# Altium PCB PCB1.PcbDoc (part 2 of 2)
Units mil, origin at the board's own origin, x right, y up, seen from the top; angles counter-clockwise.
Board outline 2755.91 x 2755.91 mil, 2 copper layers (Top Layer, Bottom Layer); 175 components, 102 nets, 607 pads, 396 vias.
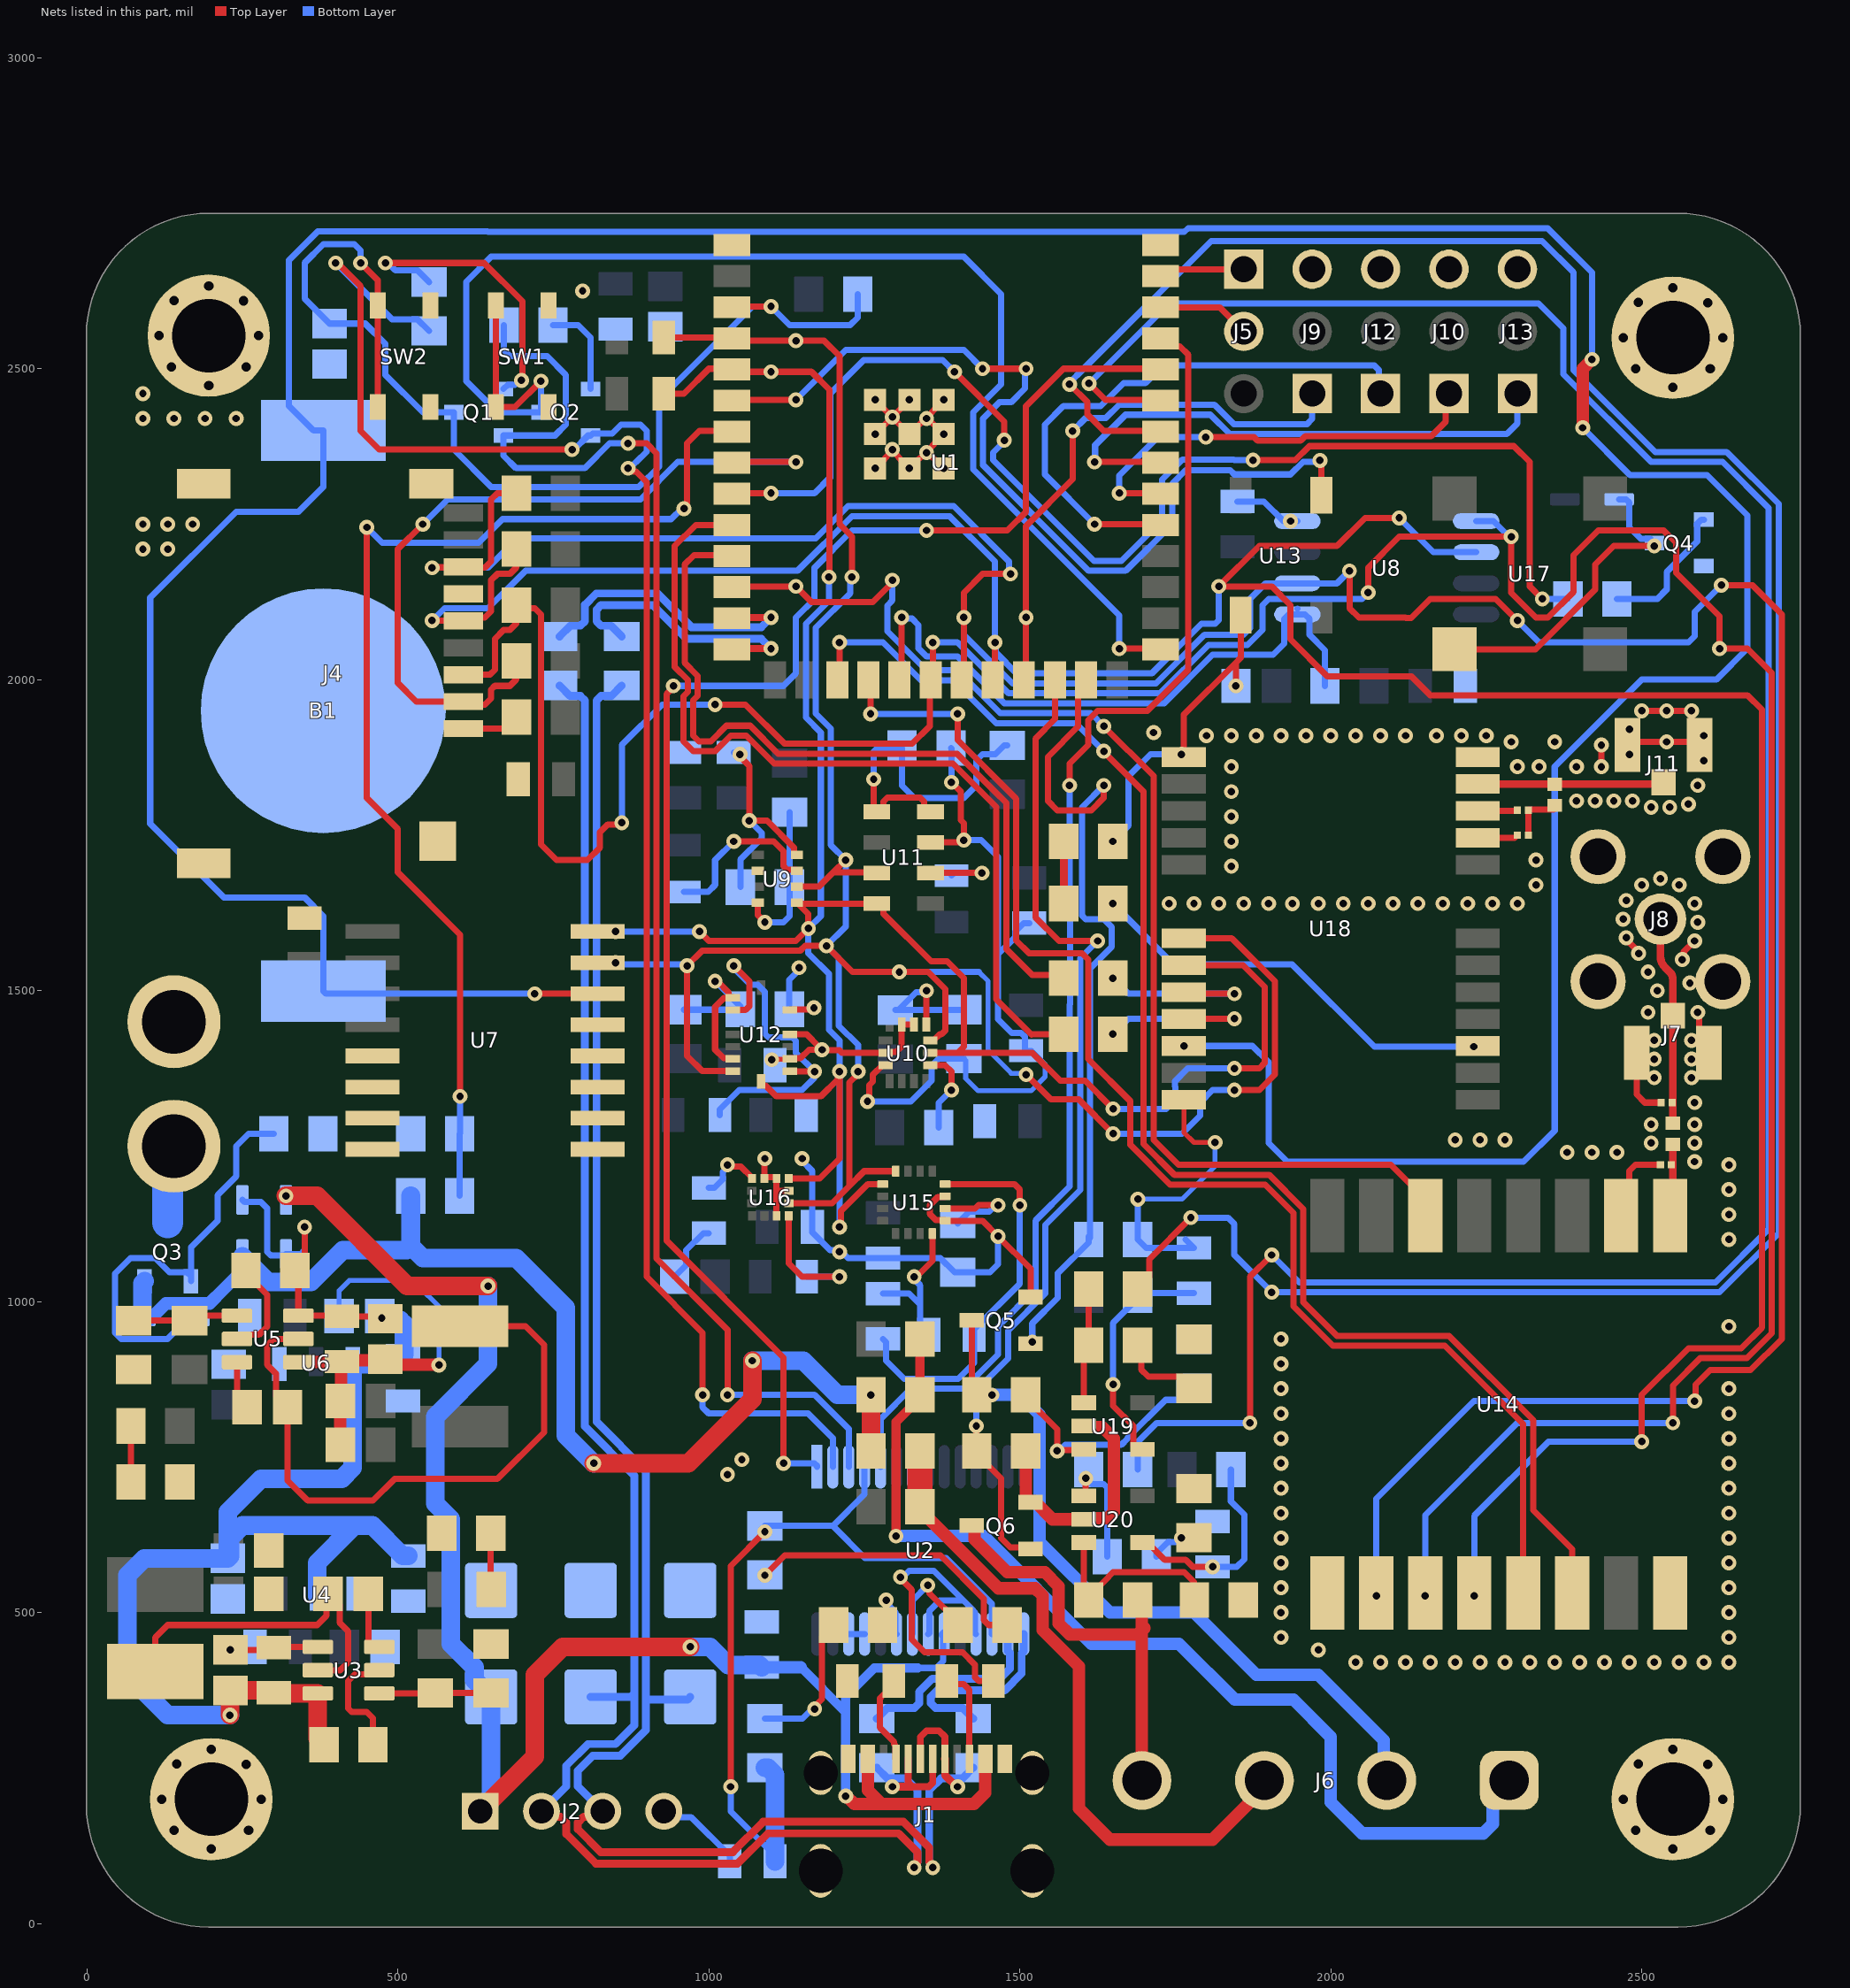
[diagram p2: the nets of this part, all layers, seen from the top]

## Via types
v1: diameter 24, hole 12, Top Layer to Bottom Layer, tented both sides, 362 vias
v2: diameter 20, hole 15, Top Layer to Bottom Layer, tented both sides, 32 vias
v3: diameter 30, hole 15, Top Layer to Bottom Layer, tented both sides, 2 vias

## Nets (pads, with @x,y where several pads share a name; then routed paths per layer and width w, separated by ;. In a path a pad name is that pad's centre, name@x,y a point inside that pad or via, vN(x,y) a via of type N, cw(c..) or ccw(c..) an arc to the next point about the centre after c; other vN are vias at no path point) (continued)
+5V_USB: C4.2 D3.2 D7.A J1.A4B9 J1.B4A9 J2.1 U2.20 | length 2885.9
  Top Layer w20: v1(1220,205) 1221.08,205 1234.08,192 1278,192 ; J1.A4B9@1255.51,264.84 1255.51,214.49 1278,192 ; J1.B4A9@1444.49,264.84 1444.49,210.35 1426.14,192 1278,192
  Top Layer w30: v1(320,1170) 370,1170 515,1025 v1(645,1025) ; J2.1@632.36,180.67 720,268.31 720,400 765,445 v1(970,445)
  Bottom Layer w10: 1335.97,410.97 1365.97,410.97 1376.87,421.87 U2.20@1376.87,464.08
  Bottom Layer w15: 1147.83,412.17 1220,340 ; v1(1220,205) 1220,340 ; 1335.97,410.97 1265.97,410.97 1220,365 1220,340 ; U2.20@1376.87,464.08 U2.20@1378.39,465.59
  Bottom Layer w20: C4.2@1085,412.17 1147.83,412.17
  Bottom Layer w30: J2.1@632.36,180.67 650,198.31 D3.2@650,364.37 623.07,391.3 623.07,411.93 585,450 585,650 560,675 560,815 645,900 v1(645,1025) ; v1(970,445) 1001.6,445 1030.74,415.87 1081.3,415.87 C4.2@1085,412.17
+BAT_V: D6.A D8.C Q3.S R41.2 R48.2 R56.2 | length 1902.7
  Top Layer w30: v1(815,740) 966.67,740 1070,843.33 v1(1070,905) ; R56.2@1260.63,760 v1(1260.63,850)
  Bottom Layer w20: D8.C@86.5,970 100.16,970 127.23,997.07 197.07,997.07 220,1020 250,1050 250,1072.83 D6.A@250,1076.5
  Bottom Layer w30: D8.C@86.5,970 89.55,973.05 89.55,1029.7 Q3.S@92.6,1032.76 ; D6.A@250,1072.83 291.16,1031.68 360,1031.68 411.32,1083 514.26,1083 520.63,1089.37 ; R41.2@520.63,1170 520.63,1100.63 520.63,1089.37 ; v1(815,740) 770,785 770,990 690,1070 540,1070 520.63,1089.37 ; v1(1070,905) 1151.77,905 1206.77,850 v1(1260.63,850)
BAT_VOLTAGE: R41.1 R43.2 U1.7 | length 1868.4
  Top Layer w10: v1(450,2245) 450,1810 500,1760 500,1690 600,1590 v1(600,1330) ; v1(960,2275) 965,2280 965,2380 985,2400 1035.83,2400 U1.7@1037.01,2398.82
  Bottom Layer w10: v1(450,2245) 475,2220 630,2220 668.18,2258.18 939.39,2258.18 956.21,2275 v1(960,2275) ; R41.1@599.37,1170 R43.2@599.37,1270 600,1270.63 v1(600,1330)
CHIP_PU: C3.2 Q1.3 R2.1 SW2.1 SW2.2 U1.3 | length 1808.3
  Top Layer w10: v1(440,2670) 467.68,2642.32 SW2.2@467.68,2601.69 SW2.1@467.68,2438.31 ; U1.3@1037.01,2598.82 1038.19,2600 v1(1100,2600)
  Bottom Layer w10: v1(440,2670) 440,2690 430,2700 380,2700 350,2670 350,2612.53 C3.2@390,2572.53 447.47,2572.53 480,2540 480,2490 540,2430 Q1.3@590.24,2430 590,2429.76 590,2370 650,2310 887.37,2310 920,2342.63 920,2450 1070,2600 v1(1100,2600) 1130,2570 1227,2570 1239.37,2582.37 R2.1@1239.37,2620
CS_FLASH: R24.1 U1.19 U8.1 | length 1419
  Top Layer w10: U1.19@1310,1998.19 v1(1310,2100)
  Bottom Layer w10: v1(1310,2100) 1311.59,2098.41 1326.59,2098.41 1337,2088 1337,2050.47 1350.47,2037 1400.12,2037 1475.12,1962 ; 1467.12,1970 1475.12,1962 ; R24.1@1990.63,1990 1990.63,2047.3 1965.91,2072.02 1965.91,2097.8 1958.7,2105 1932.2,2105 1925,2097.8 1925,2057.86 1907.14,2040 1872.63,2040 1810,2040 ; 1475.12,1962 1732,1962 ; 1475.12,1962 1732,1962 ; 1732,1962 1810,2040 ; 1732,1962 1810,2040
CS_SDCARD: J4.2 R39.1 U1.8 | length 1276.4
  Top Layer w10: v1(540,2250) 500,2210 500,1994.45 529.72,1964.72 J4.2@605.12,1964.72 609.84,1960 640,1960 650,1970 650,1984.14 655.86,1990 680,1990 690,2000 690,2029.37 R39.1@690.63,2030 ; U1.8@1037.01,2348.82 1038.19,2350 v1(1140,2350)
  Bottom Layer w10: v1(540,2250) 580,2290 890,2290 950,2350 v1(1140,2350)
DIN: U1.6 U13.DIN | length 1501.6
  Top Layer w10: U1.6@1038.19,2450 v1(1140,2450) ; v1(1440,2500) v1(1510,2500) ; v1@1980,2355 1984.96,2350.04 U13.DIN@1984.96,2296.46
  Bottom Layer w10: v1(1140,2450) 1220,2530 1410,2530 v1(1440,2500) ; v1(1510,2500) 1508.41,2498.41 1508.41,2468.41 1486,2446 1467,2446 1441,2420 1441,2344.91 1610.91,2175 1670,2175 1745,2250 1745,2315 1766.5,2336.5 1838.5,2336.5 1845,2330 1935,2330 1955.48,2350.48 1980.44,2350.48 v1(1982.48,2352.52)
DTR_FTDI: Q2.2 R1.1 U2.2 | length 2891.3
  Top Layer w10: v1(400,2670) 402.93,2670 440,2632.93 440,2400 470,2370 v1(780,2370) ; v1(870,2340) 873.79,2340 879.14,2334.64 882.83,2334.64 892.93,2324.54 900,2317.47 900,1040 990,950 v1(990,850)
  Bottom Layer w10: v1(400,2670) 490.75,2579.25 531.38,2579.25 R1.1@550,2560.63 ; v1(780,2370) 783.23,2370 805.83,2392.6 Q2.2@809.76,2392.6 813.17,2396 844.81,2396 858.81,2410 890,2410 900,2400 900,2366.52 883.48,2350 882.86,2350 872.86,2340 v1(870,2340) ; v1(990,850) 990,830 1000,820 1160,820 1199.25,780.75 U2.2@1199.25,734.41
EM1+: J6.1 R48.1 R49.1 | length 1648.6
  Top Layer w15: v1(1301,623) 1301,806.71 1339.37,845.08 R49.1@1339.37,940
  Bottom Layer w20: v1(1301,623) 1442,623 ; 1432.26,623 1442,623 ; J6.1@2286.89,230.16 2260.41,203.68 2260.41,160.41 2245,145 2050,145 2000,195 2000,300 1940,360 1845.75,360 1755.75,450 1615,450 1442,623
EM1-: J6.2 Q5.D R51.2 | length 1170.1
  Top Layer w10: Q5.D@1422.76,970 1422.76,857.87 R51.2@1430.63,850
  Bottom Layer w20: v1(1455.08,849.92) 1500.08,849.92 1532,818 1532,613 1645,500 1780,500 1880,400 1980,400 2085.32,294.68 2085.32,234.88 J6.2@2090.04,230.16
EM2+: J6.3 R56.1 R57.1 | length 1081
  Top Layer w20: R57.1@1339.37,670 1339.37,665.08 1465.45,539 1524.78,539 1536.5,527.28 1536.5,471.73 1595,413.23 1595,185 1645,135 1810,135 1893.19,218.19 J6.3@1893.19,230.16
  Top Layer w40: R57.1@1339.37,670 R56.1@1339.37,760
EM2-: J6.4 Q6.D R59.2 | length 693
  Top Layer w20: Q6.D@1422.76,640 1424.25,640 1427.44,636.81 1427.44,617.56 1480,565 1540,565 1562.5,542.5 1562.5,482.5 1580,465 1690,465 1700,475 ; R59.2@1689.37,520 1696.34,513.03 J6.4@1696.34,230.16
ESP_N: R4.1 U1.13 | length 476.5
  Top Layer w10.91: U1.13@1037.01,2098.82 1038.19,2100 v1(1100,2100)
  Bottom Layer w12.65: R4.1@760,2069.37 777.3,2086.67 793.27,2086.67 800.68,2094.08 800.68,2120.32 819.01,2138.65 917.72,2138.65 972.05,2084.32 1084.32,2084.32 v1(1100,2100)
ESP_P: R5.1 U1.14 | length 445.6
  Top Layer w10.91: U1.14@1037.01,2048.82 1038.19,2050 v1(1100,2050)
  Bottom Layer w12.65: R5.1@860,2069.37 842.7,2086.67 826.73,2086.67 819.32,2094.08 819.32,2112.59 826.73,2120 910,2120 964.32,2065.68 1084.32,2065.68 v1(1100,2050)
FTDI_N: R8.2 U2.16 | length 315.3
  Bottom Layer w12.65: R8.2@1270,329.37 1287.3,346.67 1330.77,346.67 1338.18,354.08 1338.18,372.28 1359.55,393.65 1467.87,393.65 1484.22,410 1484.22,434.57 1480.75,438.05 U2.16@1480.75,465.59
FTDI_P: R9.2 U2.15 | length 315.3
  Bottom Layer w12.65: R9.2@1425,329.37 1407.7,346.67 1364.23,346.67 1356.82,354.08 1356.82,364.55 1367.27,375 1475.59,375 1502.87,402.28 1502.87,434.57 1506.34,438.05 U2.15@1506.34,465.59
GND: B1.N C1.2 C2.1 C3.1 C4.1 C5.1 C7.1 C8.1 C9.1 C10.1 C11.1 C12.1 C13.1 C14.1 C16.1 C17.1 C18.1 C19.1 C20.1 C21.1 C22.1 C23.1 C24.2 C25.2 C26.1 C27.1 C28.1 C29.1 C30.1 C31.1 C32.1 C33.1 C36.1 C37.1 C38.1 C39.1 C40.1 C41.1 C42.1 C43.1 C44.1 C45.1 C46.1 C47.1 D3.1 D4.1 D5.1 D9.C D10.C D12.C D13.C J1.A1B12 J1.B1A12 J1.S1 J1.S2 J1.S3 J1.S4 J2.4 J3.GND J4.6 J4.G1 J4.G2 J4.G3 J4.G4 J7.GND J8.GND J9.3 J10.3 J11.GND J12.3 J13.3 L4.C MH1.GND MH2.GND MH3.GND MH4.GND Q4.2 Q5.S Q6.S R12.1 R13.1 R14.1 R18.1 R22.1 R26.1 R33.1 R34.1 R35.1 R43.1 R53.1 R55.2 R61.1 R63.2 SW1.3 SW1.4 SW2.3 SW2.4 U1.1 U1.40 U1.41_1 U1.41_2 U1.41_3 U1.41_4 U1.41_5 U1.41_6 U1.41_7 U1.41_8 U1.41_9 U2.7 U2.18 U2.21 U2.25 U2.26 U3.1 U4.1 U5.1 U6.1 U7.5 U7.6 U7.7 U7.8 U7.9 U7.10 U7.11 U7.12 U7.13 U8.4 U9.1 U9.7 U10.2 U10.3 U10.6 U10.7 U11.3 U12.2 U12.4 U12.6 U13.VSS U14.1 U14.8 U14.10 U15.9 U15.11 U16.2 U16.3 U16.9 U16.12 U18.10 U18.12 U18.13 U18.24 U19.GND U20.GND | length 7352.4
  Top Layer w8: v1(1101,1389) 1101.66,1389.66 1129.34,1389.66 U12.6@1130,1390.31 ; U18.24@1763.78,1324.41 1763.78,1272.22 1780,1256 v1(1814,1256)
  Top Layer w10: v1(230.59,439.93) 296.7,439.93 C8.1@300.59,443.82 301.57,444.8 U3.1@371.18,444.8 ; v1(1050,1880) 1050,1876.21 1065,1861.21 v1(1065,1773.3) 1093.47,1773.3 1136.65,1730.12 1136.65,1720.28 1138.54,1718.39 U9.1@1141.5,1718.39 ; U16.3@1089.16,1198.09 1089.16,1229.16 v1(1090,1230) ; U16.3@1090.16,1200.02 1109.84,1200.02 1108.84,1199.02 U16.2@1108.84,1198.09 1108.84,1180 ; U16.9@1108.84,1138.05 1108.84,1180 ; U16.12@1129.02,1177.91 1110.93,1177.91 1108.84,1180 ; U12.6@1130,1390.31 1130.91,1391.22 1147.22,1391.22 1161,1405 1172,1405 v1@1177,1410 ; U12.4@1130,1429.69 1157.32,1429.69 v1@1177,1410 ; U12.2@1130,1469.06 1130.91,1469.96 1166.59,1469.96 v1(1169,1472.37) ; v1(1255,1321.95) 1257.68,1324.63 1257.68,1348.02 1263.61,1353.95 1263.61,1364.87 1279.06,1380.31 U10.7@1284.07,1380.31 ; v1(1267.32,2339.76) 1280.04,2352.48 v1(1295,2370) 1309.72,2352.48 v1(1322.44,2339.76) 1335.16,2352.48 v1(1350,2365) ; v1(1267.32,2394.88) 1294.76,2422.32 v1(1295,2422.32) ; v1(1267.32,2450) v1(1295,2422.32) ; v1(1308,557) 1308,554.82 1326,536.82 1326,457 1347,436 1408,436 1428,416 1428,396 1434,390 R12.1@1457.6,390 ; v1(1322.44,2450) 1309.72,2437.28 v1(1295,2422.32) ; U10.2@1329.84,1445.77 U10.3@1310.16,1445.77 1310,1445.61 1310,1410 1301.3,1401.3 1285.37,1401.3 U10.6@1284.07,1400 1214,1400 1210,1404 1183,1404 v1(1182,1405) v1@1177,1410 ; U11.3@1356.61,1738.43 1402.64,1738.43 1406.21,1742 v1(1410,1742) 1410,1769 1405,1774 1405,1820 v1(1390,1835) ; v1(1377.56,2339.76) 1364.84,2352.48 v1(1350,2365) ; v1(1377.56,2450) 1364.84,2437.28 v1(1350,2420) ; U15.11@1380,1169.37 1379.09,1168.46 1368.46,1168.46 1355,1155 1355,1140.86 1364.95,1130.91 1379.09,1130.91 U15.9@1380,1130 1440,1130 v1(1465,1105) 1517.24,1052.76 Q5.S@1517.24,1007.4 ; U18.13@1763.78,1875.59 1763.78,1943.78 1847.47,2027.47 ; v1(1847.47,1990) 1847.47,2027.47 ; U13.VSS@1855.04,2103.54 1855.04,2035.04 1847.47,2027.47 ; U18.10@2236.22,1788.98 2299.17,1788.98 2300,1789.8 C45.1@2300,1790 ; v1(2435,1860) v1(2435,1895) ; U14.10@2466.85,1138.15 2480,1151.3 2480,1210 2490,1220 C42.1@2530,1220 ; v1(2475,1585) 2475,1582.5 2495,1562.5 v1(2495,1560) ; v1(2480,1880) 2480,1887.4 2492.6,1900 v1(2540,1900) 2577.4,1900 2600,1877.4 v1(2600,1870) ; J7.GND@2491.93,1400 2491.93,1333.07 2505,1320 C41.1@2531.26,1320 ; v1(2500,1950) v1(2540,1950) v1(2580,1950) 2580,1930 v1(2600,1910) ; v1(2565,1550) 2567.68,1552.68 2567.68,1562.68 v1(2585,1580) ; v1(2590,1465) 2592.4,1462.6 2592.4,1415.67 J7.GND@2608.07,1400 ; v1(1295,2422.32) U1.41_1@1322.44,2394.88 1335.16,2407.6 v1(1350,2420) ; v1(1350,2365) 1364.84,2382.17 v1(1377.56,2394.88) 1364.84,2407.6 v1(1350,2420)
  Top Layer w20: U5.1@340,902.6 C21.1@409.02,902.6 ; C23.1@407.47,770 C18.1@407.47,840 408.74,841.26 408.74,902.32 C21.1@409.02,902.6 ; v1(566,898) 565.23,898.77 488.71,898.77 C22.1@480,907.47 478.06,905.53 411.94,905.53 C21.1@410,903.58 C21.1@409.02,902.6 ; R63.2@1509.37,760 1509.37,679.21 1523.31,679.21 1552.52,650 U20.GND@1602.76,650 1604.57,651.81 1641.1,651.81 1651,661.72 1651,780 1632.81,798.19 1604.57,798.19 U19.GND@1602.76,800
  Bottom Layer w8: C19.1@405.66,976.69 405.66,1017.66 422,1034 524,1034 575,983 575,947.16 566,938.16 v1(566,898) ; R34.1@1410,1390.63 1413,1387.63 1413,1359 1433,1339 1518,1339 1540.69,1361.69 1540.69,1381.72 C29.1@1533.56,1388.84 ; C29.1@1510,1403.58 1518.86,1403.58 C29.1@1533.56,1388.88 ; v1(1689.69,1164.69) 1760.69,1164.69 1814,1218 v1(1814,1256)
  Bottom Layer w10: J2.4@927.64,180.67 937.08,171.22 971.22,171.22 1033.58,108.86 C5.1@1033.58,100 ; C38.1@944.94,1040 963.68,1058.73 963.68,1082.53 991.14,1110 C39.1@1000,1110 ; C27.1@1040,1882.83 1047.17,1882.83 v1(1050,1880) ; R26.1@1050.63,1666.42 1050.63,1710.63 1085,1745 1085,1753.3 v1(1065,1773.3) ; R35.1@1129.37,1470 1129.37,1517.58 1145,1533.21 v1(1145,1537) ; v1(1150,1230) 1150,1226.21 1166.42,1209.79 C37.1@1166.42,1120 1166.42,1111.14 1194.88,1082.68 1207.32,1082.68 v1(1210,1080) 1213.79,1080 1223.79,1070 C36.1@1280,1070 1372.13,1070 1395.08,1047.05 C40.1@1400,1047.05 1452.05,1047.05 1465,1060 v1(1465,1105) ; U2.26@1224.84,465.59 U2.25@1250.43,465.59 ; v1(1255,1321.95) 1324.95,1321.95 1358,1355 1358,1379 1369.63,1390.63 R34.1@1410,1390.63 ; v1(1308,557) 1311.79,557 1321.79,567 1361.53,567 1409.26,519.26 ; U2.21@1352.8,465.59 1354.31,467.11 1354.31,502.31 1371.26,519.26 1409.26,519.26 ; R33.1@1389.37,1890 1390,1889.37 v1(1390,1835) ; v1(1410,1742) 1438,1742 1465,1715 1465,1558.58 ; U2.18@1429.57,465.59 1428.05,467.11 1428.05,500.47 1423.93,504.6 1409.26,519.26 ; C29.1@1510,1403.58 1508,1405.58 1508,1426 1502,1432 1487,1432 1465,1454 1465,1558.58 ; C30.1@1515,1608.58 1506.14,1608.58 1492.44,1594.88 1492.44,1586.02 1465,1558.58 ; v1(1649.37,1740) 1675,1765.63 1675,1845 1710,1880 v1(1760,1880) ; v1(1689.69,1164.69) 1689.37,1164.37 R55.2@1689.37,1100 1702.95,1086.42 C46.1@1780,1086.42 C46.1@1766.42,1100 ; C24.2@1850,2286.42 1892.56,2286.42 1923.98,2255 v1(1935.14,2255) U8.4@1946.3,2255
  other v1: 2040,420 2080,420 2120,420 2160,420 2200,420 2240,420 2280,420 2320,420 2360,420 2400,420 2440,420 2480,420 2520,420 2560,420 2600,420 2640,420 1980,440 1920,460 2640,460 1920,500 2640,500 1920,540 2640,540 1920,580 2640,580 1920,620 2640,620 1920,660 2640,660 1920,700 2640,700 1030,722 1920,740 2640,740 1053,746 1920,780 2640,780 1920,820 2640,820 1920,860 2640,860 1920,900 1920,940 2640,960 2640,1100 2640,1140 2640,1180 2640,1220 2585,1225 2380,1240 2420,1240 2460,1240 2515,1255 2585,1255 2200,1260 2240,1260 2280,1260 2515,1285 2585,1285 2585,1320 2520,1360 2580,1360 2520,1390 2580,1390 2520,1420 2580,1420 2510,1465 2525,1500 2577.32,1512.32 2510,1530 2590,1610 2470,1615 1740,1640 1780,1640 1820,1640 1860,1640 1900,1640 1938.16,1639.93 1980,1640 2020,1640 2060,1640 2100,1640 2140,1640 2180,1640 2220,1640 2260,1640 2300,1640 2585,1640 2475,1645 2330,1670 2500,1670 2560,1670 2530,1680 1840,1700 2330,1710 1840,1740 1840,1780 2515,1795 2545,1795 2575,1800 2395,1805 2425,1805 2455,1805 2485,1805 1840,1820 2590,1830 1840,1860 2300,1860 2335,1860 2395,1860 2290,1900 2360,1900 1800,1910 1840,1910 1880,1910 1920,1910 1960,1910 2000,1910 2040,1910 2080,1910 2120,1910 2170,1910 2210,1910 2250,1910 1715,1915 2480,1920 90,2210 130,2210 90,2250 130,2250 170,2250 90,2420 140,2420 190,2420 240,2420 90,2460 797,2625
  other v2: 200,120 2550,120 140,150 260,150 2490,150 2610,150 120,200 280,200 2470,200 2630,200 256,256 2606,256 144.16,256.58 2494.16,256.58 200,280 2550,280 2550,2470 195.94,2473.15 2490,2500 2610,2500 135.94,2503.15 255.94,2503.15 2470,2550 2630,2550 115.94,2553.15 275.94,2553.15 2606,2606 2494.16,2606.58 251.94,2609.15 140.1,2609.73 2550,2630 195.94,2633.15
GPIO0: Q2.3 SW1.1 SW1.2 U1.27 | length 2253.2
  Top Layer w10: SW1.2@657.68,2601.69 SW1.1@657.68,2438.31 688.31,2438.31 v1(730,2480) ; v1(1660,2050) U1.27@1721.81,2050
  Bottom Layer w10: v1(730,2480) 730,2430.24 Q2.3@730.24,2430 660,2430 610,2480 610,2640 650,2680 1410,2680 1470,2620 1470,2475 1425,2430 1425,2338.28 1660,2103.28 v1(1660,2050)
GPIO1: J5.1 U1.39 | length 138.6
  Top Layer w10: U1.39@1725.98,2648.82 1737.17,2660 J5.1@1860,2660
GPIO2: J5.2 U1.38 | length 150.1
  Top Layer w10: U1.38@1725.98,2598.82 1821.18,2598.82 J5.2@1860,2560
LR_ANT: C42.2 L3.2 U14.9 | length 118.7
  Top Layer w12.6: U14.9@2547.01,1139.56 U14.9@2545.59,1138.15 2550,1142.56 L3.2@2550,1252.99
LR_DIO0: U1.12 U14.14 | length 1986.7
  Top Layer w10: U1.12@1038.19,2150 v1(1140,2150) 1165,2125 1263.79,2125 1295,2156.21 v1(1295,2160) ; v1(1635,1925) 1715,1845 1715,1260 1755,1220 2096.54,1220 2151.89,1164.65 U14.14@2151.89,1133.15
  Bottom Layer w10: v1(1295,2160) 1295,2127.34 1287,2119.34 1287,2077.85 1349.85,2015 1399.49,2015 1468.49,1946 1614,1946 v1(1635,1925)
LR_NSS: U1.18 U14.5 | length 2235.5
  Top Layer w10: U1.18@1256.5,1999.61 1260,1996.1 v1(1260,1945) ; v1(1400,1945) 1400,1902.78 1494.21,1808.57 1494.21,1580.79 1515,1560 1600,1560 1610,1550 1610,1390 1677.87,1322.13 1677.87,1251.87 1741.75,1188 1894.37,1188 1939.85,1142.52 1939.85,992.52 2003.37,929 2183.37,929 2309.37,803 U14.5@2309.37,526.85
  Bottom Layer w10: v1(1260,1945) v1(1400,1945)
LR_RESET: U1.17 U14.6 | length 2426.4
  Top Layer w10: U1.17@1205,2001.1 U1.17@1206.5,1999.61 1210,2003.11 v1(1210,2060) ; v1(1635,1885) 1635,1884 1699,1820 1699,1253.37 1748.37,1204 1901,1204 1955.85,1149.15 1955.85,999.15 2010,945 2190,945 2325.37,809.63 2325.37,664.63 2388.11,601.89 U14.6@2388.11,526.85
  Bottom Layer w10: v1(1210,2060) 1280,2060 1341,1999 1392.86,1999 1461.86,1930 1590,1930 v1(1635,1885)
MISO: J4.7 R38.1 U1.21 U8.2 U14.2 | length 5261
  Top Layer w10: v1(555,2180) 555.63,2180.63 604.49,2180.63 J4.7@605.12,2181.26 606.38,2180 640,2180 650,2190 650,2290 660,2300 R38.1@690.63,2300 ; U1.21@1410,1998.19 v1(1410,2100) 1410,2140 1440,2170 v1(1485,2170) ; v1(2030,2175) 2030,2115 2045,2100 2120,2100 2120.86,2099.14 2129.14,2099.14 2159.99,2129.99 2265.01,2129.99 v1(2300,2095) ; v1@2585,840.5 2586.59,842.1 2586.59,866.59 2610,890 2675,890 2725,940 2725,2105 2677.98,2152.02 v1(2627.98,2152.02)
  Bottom Layer w10: v1(555,2180) 645,2180 692,2227 1171.75,2227 1223.74,2279 1393.63,2279 1482.32,2190.31 1482.32,2172.68 v1(1485,2170) ; v1(1410,2100) 1410,2072.37 1488.37,1994 1718.75,1994 1796.75,2072 1859.37,2072 1870,2082.63 1870,2130 1895,2155 U8.2@1946.3,2155 2010,2155 v1(2030,2175) ; v1(2073.15,526.85) 2073.15,683.15 2230,840 v1(2585,840) ; v1(2300,2095) 2335,2060 2575,2060 2585,2070 2585,2109.03 v1(2627.98,2152.02)
MOSI: J4.3 R37.1 U1.20 U8.5 U14.3 | length 5454.3
  Top Layer w10: J4.3@605.12,2008.03 648.03,2008.03 656.01,2016.01 656.01,2066.01 670,2080 680,2080 690,2090 690,2119.37 R37.1@690.63,2120 695.63,2115 720,2115 730,2105 730,1735 755,1710 805,1710 825,1730 825,1755 837.32,1767.32 857.32,1767.32 v1(860,1770) ; v1(1010,1960) 1058.63,1960 1121.63,1897 1327,1897 1355,1925 1355,1998.11 U1.20@1356.5,1999.61 ; U1.20@1360,1998.19 v1(1360,2060) ; v1(2060,2140) 2060,2180 2110,2230 v1(2290,2230) 2290,2140 2330,2100 2349.14,2100 2390,2140.86 2390,2200 2430,2240 2535,2240 2555,2220 2555,2171.89 2625,2101.89 v1(2625,2050) 2670,2050 2709,2011 2709,949 2669,909 2594,909 2550,865 v1(2550,805)
  Bottom Layer w10: v1(860,1770) 860,1895 925,1960 v1(1010,1960) ; v1(1360,2060) 1399.75,2060 1481.75,1978 1725.37,1978 1803.37,2056 1866,2056 1890,2080 1890,2120 1900,2130 2050,2130 v1(2060,2140) ; v1(2151.89,526.85) 2151.89,656.89 2300,805 v1(2550,805) ; U8.5@2233.7,2255 2261.65,2255 2286.65,2230 v1(2290,2230)